# Altium PCB UHF Transceiver PCB.PcbDoc (part 1 of 5) (continued)
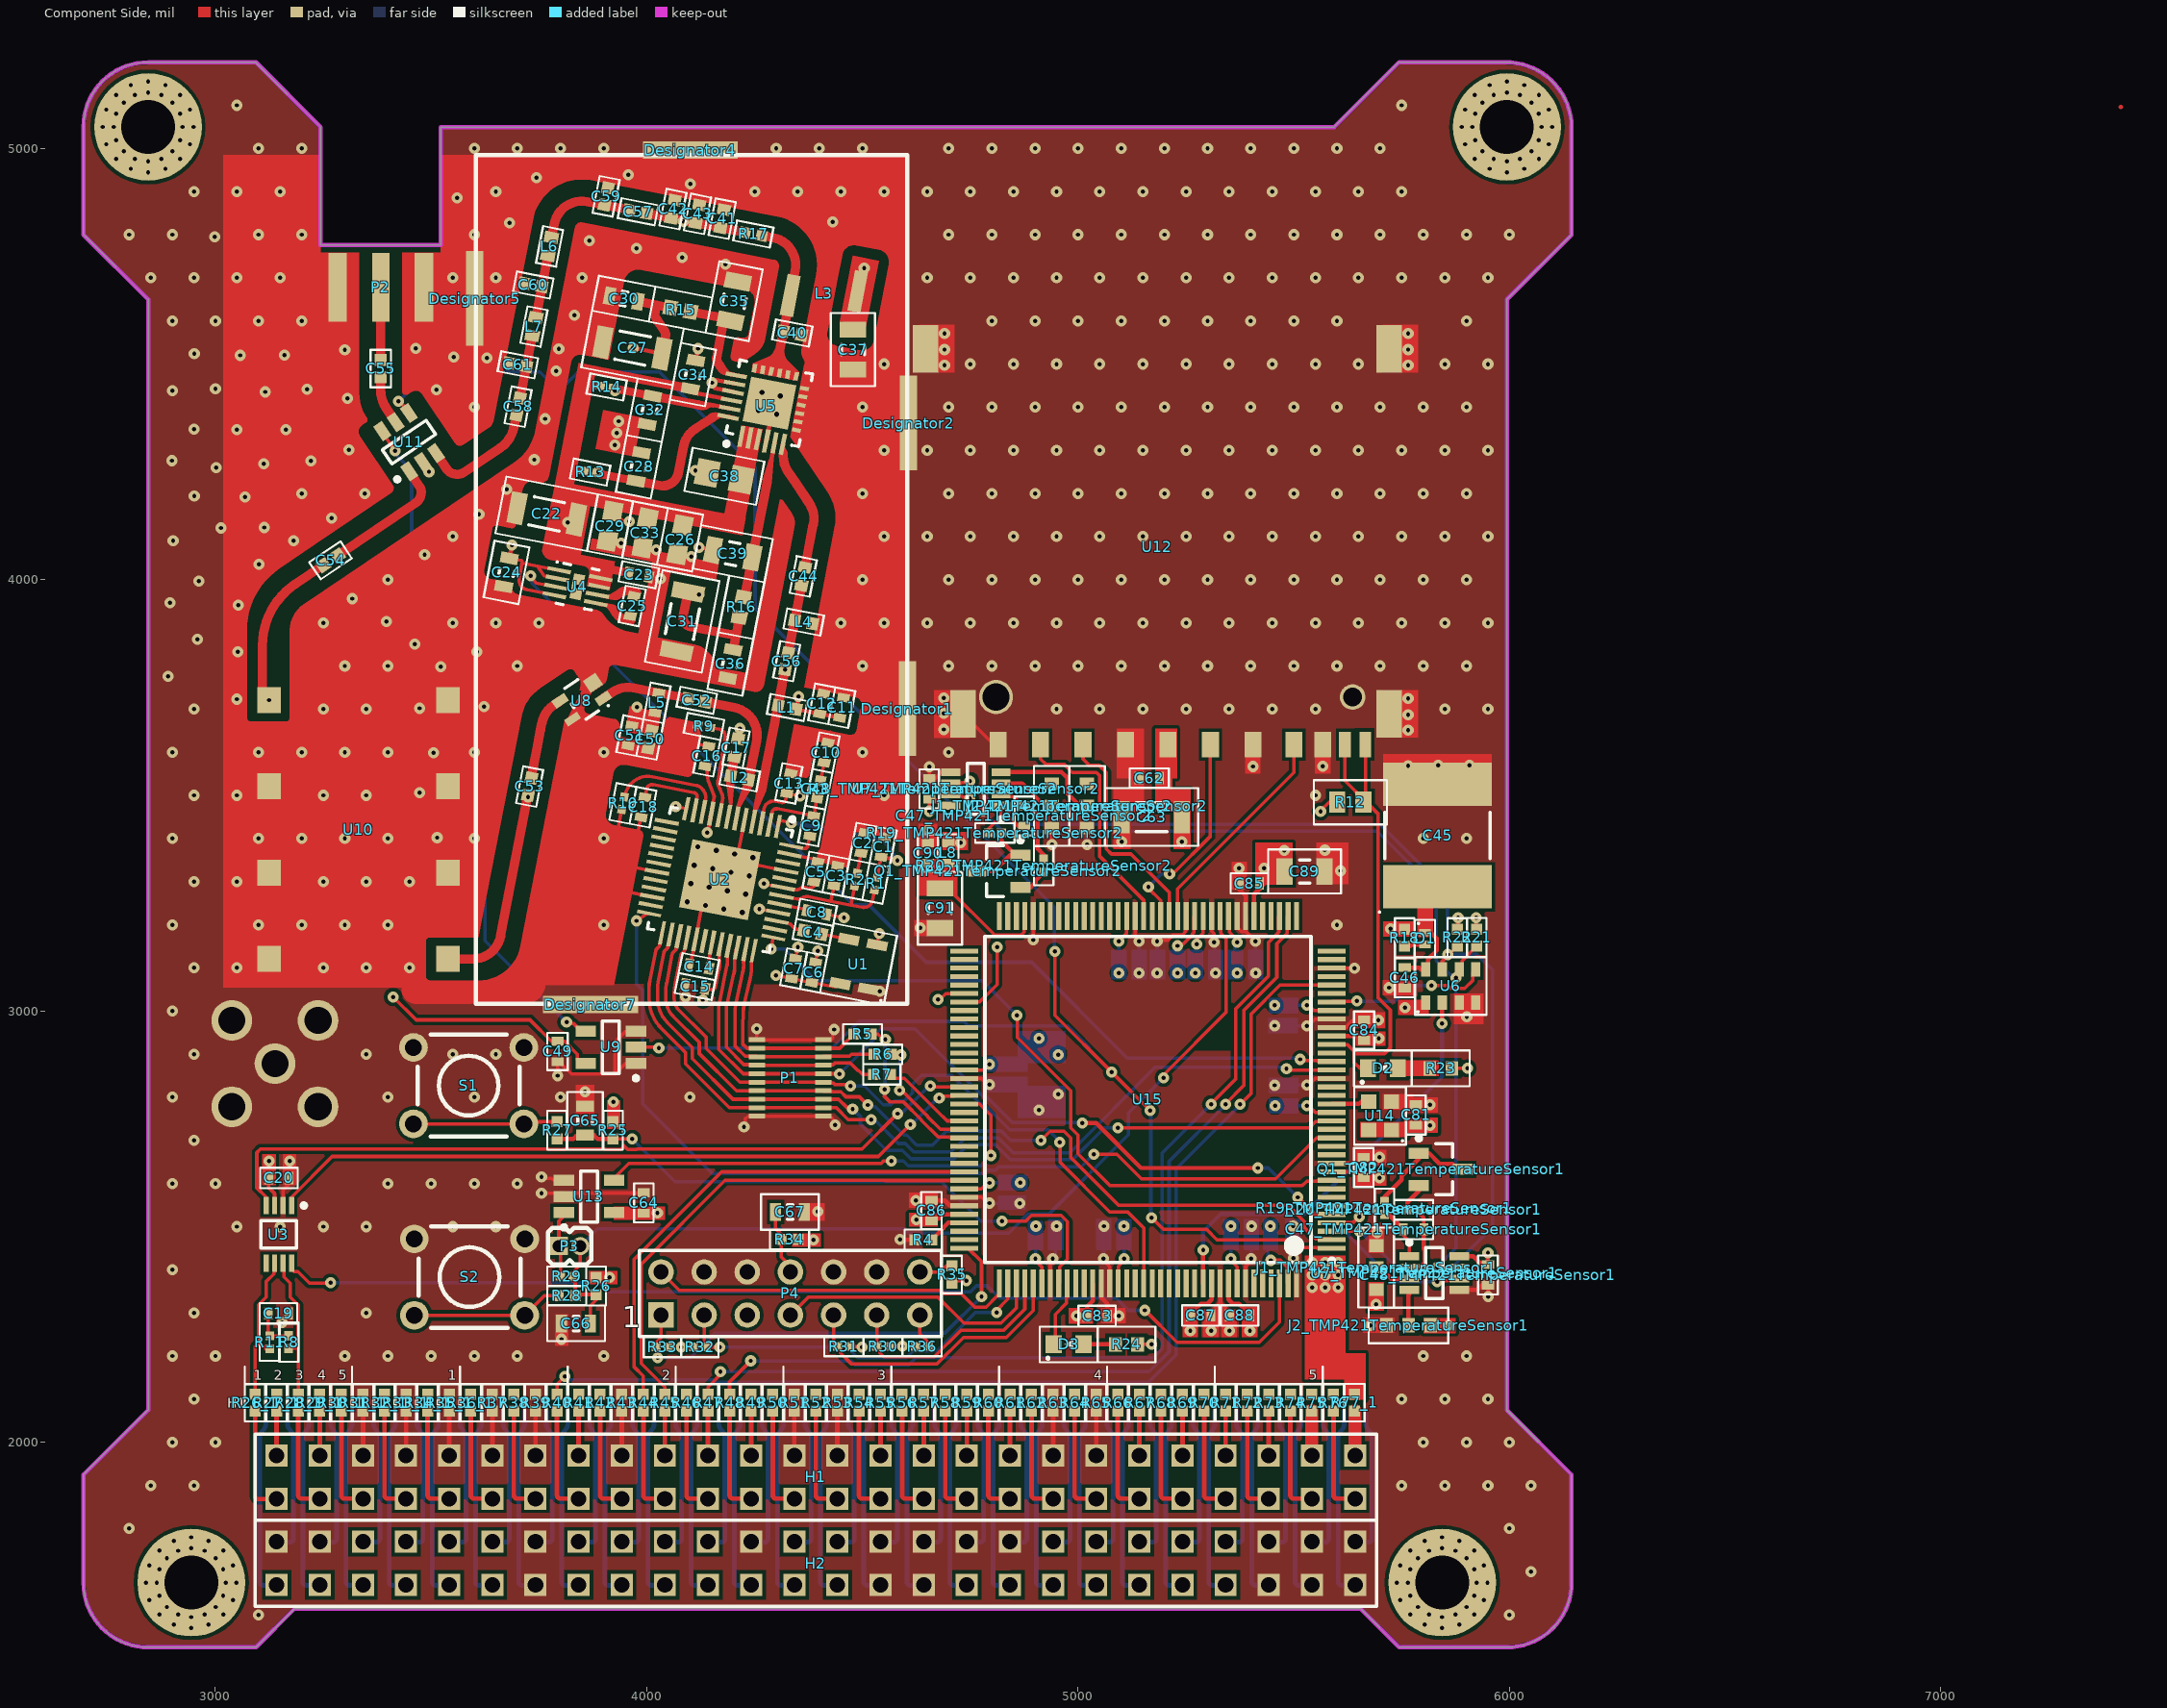
[diagram p0: Component Side view]
## Components (designator, comment, footprint, x,y, rotation, side; value= is the part's Value field where it differs from the comment) (continued)
R31_1 "Jumper" PANA-ERJ2G 3341.92,2091.76 r90 top value=0
R32 "DNP" PANA-ERA2A#1 4123,2221 r180 top
R32_1 "Jumper" PANA-ERJ2G 3391.92,2091.76 r270 top value=0
R33 "DNP" PANA-ERA2A#1 4036.24,2221 r0 top
R33_1 "Jumper" PANA-ERJ2G 3441.92,2091.76 r90 top value=0
R34 "Res3" PANA-ERJ2R 4331,2470 r0 top value=100
R34_1 "Jumper" PANA-ERJ2G 3491.92,2091.76 r270 top value=0
R35 "Res3" PANA-ERJ2R 4707,2389 r270 top value=100
R35_1 "Jumper" PANA-ERJ2G 3541.92,2091.76 r90 top value=0
R36 "Res3" PANA-ERA2A#2 4638,2222 r180 top value=10k
R36_1 "Jumper" PANA-ERJ2G 3591.92,2091.76 r270 top value=0
R37 "Jumper" PANA-ERJ2G 3641.92,2091.76 r90 top value=0
R38 "Jumper" PANA-ERJ2G 3691.92,2091.76 r270 top value=0
R39 "Jumper" PANA-ERJ2G 3741.92,2091.76 r90 top value=0
R40 "Jumper" PANA-ERJ2G 3791.92,2091.76 r270 top value=0
R41 "Jumper" PANA-ERJ2G 3841.92,2091.76 r90 top value=0
R42 "Jumper" PANA-ERJ2G 3891.92,2091.76 r270 top value=0
R43 "Jumper" PANA-ERJ2G 3941.92,2091.76 r90 top value=0
R44 "Jumper" PANA-ERJ2G 3991.92,2091.76 r270 top value=0
R45 "Jumper" PANA-ERJ2G 4041.92,2091.76 r90 top value=0
R46 "Jumper" PANA-ERJ2G 4091.92,2091.76 r270 top value=0
R47 "Jumper" PANA-ERJ2G 4141.92,2091.76 r90 top value=0
R48 "Jumper" PANA-ERJ2G 4191.92,2091.76 r270 top value=0
R49 "Jumper" PANA-ERJ2G 4241.92,2091.76 r90 top value=0
R50 "Jumper" PANA-ERJ2G 4291.92,2091.76 r270 top value=0
R51 "Jumper" PANA-ERJ2G 4341.92,2091.76 r90 top value=0
R52 "Jumper" PANA-ERJ2G 4391.92,2091.76 r270 top value=0
R53 "Jumper" PANA-ERJ2G 4441.92,2091.76 r90 top value=0
R54 "Jumper" PANA-ERJ2G 4491.92,2091.76 r270 top value=0
R55 "Jumper" PANA-ERJ2G 4541.92,2091.76 r90 top value=0
R56 "Jumper" PANA-ERJ2G 4591.92,2091.76 r270 top value=0
R57 "Jumper" PANA-ERJ2G 4641.92,2091.76 r90 top value=0
R58 "Jumper" PANA-ERJ2G 4691.92,2091.76 r270 top value=0
R59 "Jumper" PANA-ERJ2G 4741.92,2091.76 r90 top value=0
R60 "Jumper" PANA-ERJ2G 4791.92,2091.76 r270 top value=0
R61 "Jumper" PANA-ERJ2G 4841.92,2091.76 r90 top value=0
R62 "Jumper" PANA-ERJ2G 4891.92,2091.76 r270 top value=0
R63 "Jumper" PANA-ERJ2G 4941.92,2091.76 r90 top value=0
R64 "Jumper" PANA-ERJ2G 4991.92,2091.76 r270 top value=0
R65 "Jumper" PANA-ERJ2G 5041.92,2091.76 r90 top value=0
R66 "Jumper" PANA-ERJ2G 5091.92,2091.76 r270 top value=0
R67 "Jumper" PANA-ERJ2G 5141.92,2091.76 r90 top value=0
R68 "Jumper" PANA-ERJ2G 5191.92,2091.76 r270 top value=0
R69 "Jumper" PANA-ERJ2G 5241.92,2091.76 r90 top value=0
R70 "Jumper" PANA-ERJ2G 5291.92,2091.76 r270 top value=0
R71 "Jumper" PANA-ERJ2G 5341.92,2091.76 r90 top value=0
R72 "Jumper" PANA-ERJ2G 5391.92,2091.76 r270 top value=0
R73 "Jumper" PANA-ERJ2G 5441.92,2091.76 r90 top value=0
R74 "Jumper" PANA-ERJ2G 5491.92,2091.76 r270 top value=0
R75 "Jumper" PANA-ERJ2G 5541.92,2091.76 r90 top value=0
R76 "Jumper" PANA-ERJ2G 5591.92,2091.76 r270 top value=0
R77_1 "Jumper" PANA-ERJ2G 5640.69,2092.01 r90 top value=0
R78 "Jumper" PANA-ERJ2G 3116.92,2091.76 r270 bottom value=0
R79 "Jumper" PANA-ERJ2G 3166.92,2091.76 r90 bottom value=0
R80 "Jumper" PANA-ERJ2G 3216.92,2091.76 r270 bottom value=0
R81 "Jumper" PANA-ERJ2G 3266.92,2091.76 r90 bottom value=0
R82 "Jumper" PANA-ERJ2G 3316.92,2091.76 r270 bottom value=0
R83 "Jumper" PANA-ERJ2G 3366.92,2091.76 r90 bottom value=0
R84 "Jumper" PANA-ERJ2G 3416.92,2091.76 r270 bottom value=0
R85 "Jumper" PANA-ERJ2G 3466.92,2091.76 r90 bottom value=0
R86 "Jumper" PANA-ERJ2G 3516.92,2091.76 r270 bottom value=0
R87 "Jumper" PANA-ERJ2G 3566.92,2091.76 r90 bottom value=0
R88 "Jumper" PANA-ERJ2G 3616.92,2091.76 r270 bottom value=0
R89 "Jumper" PANA-ERJ2G 3666.92,2091.76 r90 bottom value=0
R90 "Jumper" PANA-ERJ2G 3716.92,2091.76 r270 bottom value=0
R91 "Jumper" PANA-ERJ2G 3766.92,2091.76 r90 bottom value=0
R92 "Jumper" PANA-ERJ2G 3816.92,2091.76 r270 bottom value=0
R93 "Jumper" PANA-ERJ2G 3866.92,2091.76 r90 bottom value=0
R94 "Jumper" PANA-ERJ2G 3916.92,2091.76 r270 bottom value=0
R95 "Jumper" PANA-ERJ2G 3966.92,2091.76 r90 bottom value=0
R96 "Jumper" PANA-ERJ2G 4016.92,2091.76 r270 bottom value=0
R97 "Jumper" PANA-ERJ2G 4066.92,2091.76 r90 bottom value=0
R98 "Jumper" PANA-ERJ2G 4116.92,2091.76 r270 bottom value=0
R99 "Jumper" PANA-ERJ2G 4166.92,2091.76 r90 bottom value=0
R100 "Jumper" PANA-ERJ2G 4216.92,2091.76 r270 bottom value=0
R101 "Jumper" PANA-ERJ2G 4266.92,2091.76 r90 bottom value=0
R102 "Jumper" PANA-ERJ2G 4316.92,2091.76 r270 bottom value=0
R103 "Jumper" PANA-ERJ2G 4366.92,2091.76 r90 bottom value=0
R104 "Jumper" PANA-ERJ2G 4416.92,2091.76 r270 bottom value=0
R105 "Jumper" PANA-ERJ2G 4466.92,2091.76 r90 bottom value=0
R106 "Jumper" PANA-ERJ2G 4516.92,2091.76 r270 bottom value=0
R107 "Jumper" PANA-ERJ2G 4566.92,2091.76 r90 bottom value=0
R108 "Jumper" PANA-ERJ2G 4616.92,2091.76 r270 bottom value=0
R109 "Jumper" PANA-ERJ2G 4666.92,2091.76 r90 bottom value=0
R110 "Jumper" PANA-ERJ2G 4716.92,2091.76 r270 bottom value=0
R111 "Jumper" PANA-ERJ2G 4766.92,2091.76 r90 bottom value=0
R112 "Jumper" PANA-ERJ2G 4816.92,2091.76 r270 bottom value=0
R113 "Jumper" PANA-ERJ2G 4866.92,2091.76 r90 bottom value=0
R114 "Jumper" PANA-ERJ2G 4916.92,2091.76 r270 bottom value=0
R115 "Jumper" PANA-ERJ2G 4966.92,2091.76 r90 bottom value=0
R116 "Jumper" PANA-ERJ2G 5016.92,2091.76 r270 bottom value=0
R117 "Jumper" PANA-ERJ2G 5066.92,2091.76 r90 bottom value=0
R118 "Jumper" PANA-ERJ2G 5116.92,2091.76 r270 bottom value=0
R119 "Jumper" PANA-ERJ2G 5166.92,2091.76 r90 bottom value=0
R120 "Jumper" PANA-ERJ2G 5216.92,2091.76 r270 bottom value=0
R121 "Jumper" PANA-ERJ2G 5266.92,2091.76 r90 bottom value=0
R122 "Jumper" PANA-ERJ2G 5316.92,2091.76 r270 bottom value=0
R123 "Jumper" PANA-ERJ2G 5366.92,2091.76 r90 bottom value=0
R124 "Jumper" PANA-ERJ2G 5416.92,2091.76 r270 bottom value=0
R125 "Jumper" PANA-ERJ2G 5466.92,2091.76 r90 bottom value=0
R126 "Jumper" PANA-ERJ2G 5516.92,2091.76 r270 bottom value=0
R127 "Jumper" PANA-ERJ2G 5566.92,2091.76 r90 bottom value=0
R128 "Jumper" PANA-ERJ2G 5616.92,2091.76 r270 bottom value=0
R129_1 "Jumper" PANA-ERJ2G 5665.69,2092.01 r90 bottom value=0
S1 "1825910-7" TEC-1825910-7 3587,2827 r0 top
S2 "1825910-7" TEC-1825910-7 3589,2383 r0 top
TP1 "5017" KS-5017#1 3817,4133 r270 bottom
TP2 "5017" KS-5017#1 4010.31,4539.15 r180 bottom
TP3 "5017" KS-5017#2 3891.06,4251 r270 bottom
TP4 "5017" KS-5017#1 4149.35,3960.38 r180 bottom
TP5 "5017" KS-5017#2 3918,4425.73 r270 bottom
TP6 "5017" KS-5017#1 3900,4800 r180 bottom
TP7 "5017" KS-5017#1 3122.38,3757.57 r270 bottom
TP8 "5017" KS-5017#1 3799.2,3719.18 r180 bottom
TP9 "5017" KS-5017#1 3770.04,3472 r180 bottom
TP10 "5017" KS-5017#1 4146.84,3716.52 r0 bottom
TP11 "5017" KS-5017#1 4267,3794.52 r180 bottom
TP12 "5017" KS-5017#1 4108,4822 r180 bottom
TP13 "5017" KS-5017#1 4450,4300 r270 bottom
TP14 "5017" KS-5017#1 3350,3900 r270 bottom
TP15 "5017" KS-5017#1 4686,3023 r0 bottom
TP16 "5017" KS-5017#1 4812,3195 r270 bottom
U1 "NT3225SA" NDK-NT3225SA 4491.08,3108.43 r169 top value=19.68MHz
U2 "ADF7021" ADI-CP-48-5 4169.78,3304.4 r259 top
U3 "TCAN337" TI-R-PDSO-G8 3146.99,2482 r270 top
U4 "TPS22965Q" TI-DSG0008 3839.4,3983.83 r349 top
U5 "RF6886" 24-VFQFN 4284.07,4409.08 r79 top
U6 "RTCMK" ABR-RTCMK 5863.76,3058 r90 top value=32.768kHz
U7_TMP421TemperatureSensor1 "TMP421" TI-DCN#1 5825.81,2392.38 r0 top (schematic designator U7)
U7_TMP421TemperatureSensor2 "TMP421" TI-DCN#2 4763,3515 r180 top (schematic designator U7)
U8 "SPF5043Z" QRV-SOT-343-4 3849.25,3722.07 r214 top
U9 "SN74LVC1" TI-DBV0005A 3916.76,2916 r180 top
U10 "SXBP425+" MICI-SXBP 3331.48,3420.78 r270 top
U11 "AS193-73" SKYW-SOT-6 3449,4319 r124 top
U12 "693063010911" WL-693063010911 5183.6,3617.68 r180 top
U13 "STWD100" STM-SOT235 3866,2570 r0 top value="5.1 ms"
U14 "ASDMB" ABR-ASDMB 5700,2757 r180 top value=16MHz
U15 "TMS5701224" TI-S-PQFP-G144 5161.81,2794.38 r180 top

## Footprints (in the part's own frame and the unit in brackets; to place one, negate y for a bottom-side part, rotate by r counter-clockwise, add the part's x,y. Pads: shape width x height; smd on the part's side, far side on the other; paste and mask are expansions set on the pad)
24-VFQFN [mm] "QFN, 24-Leads, Body 4.00x4.00mm, Pitch 0.50mm, Thermal Pad 2.70x2.70mm, IPC Low Density"
  rect 1.27x0.26 smd: 1(-2.225,1.25) 2(-2.225,0.75) 3(-2.225,0.25) 5(-2.225,-0.75) 6(-2.225,-1.25)
  rect 1.4x0.26 smd: 4(-2.225,-0.25)
  rect 0.26x0.528 smd: 7(-1.25,-1.864) 8(-0.75,-1.864) 9(-0.25,-1.864) 10(0.25,-1.864) 11(0.75,-1.864) 12(1.25,-1.864)
  rect 0.528x0.26 smd: 13(1.864,-1.25) 14(1.864,-0.75) 15(1.864,-0.25) 16(1.864,0.25) 17(1.864,0.75) 18(1.864,1.25)
  rect 0.26x1.27 smd: 19(1.25,2.225) 20(0.75,2.225) 21(0.25,2.225) 22(-0.25,2.225) 23(-0.75,2.225) 24(-1.25,2.225)
  rect 2.7x2.7 smd: 25(0,0)
  silkscreen extent -2.95,-2.18 2.18,2.18, body extent -2.03,-2.03 2.03,2.03, height 0.9
1606-10GLC [mm] "1606-10GLC"
  rect 0.79x2.46 smd: 1(9.1,-0.175) 2(5.25,-1.175)
  body extent 5,-2.27 9.4,0.9, height 1.37
ABR-ASDMB [mm] "DFN, 4-Leads, Body 2.00x2.50mm, Pitch 1.65mm, IPC Low Density"
  rect 0.9x0.85 smd: 1(-0.675,0.825) 2(-0.675,-0.825) 3(0.675,-0.825) 4(0.675,0.825)
  silkscreen extent -1.52,-1.7 1.53,1.7, body extent -1,-1.25 1,1.25, height 0.86
ABR-RTCMK [mm]
  rect 0.85x0.55 smd: 1(-0.975,1.475) 2(-0.975,0.5) 3(-0.975,-0.5) 4(-0.975,-1.475) 5(0.975,-1.475) 6(0.975,-0.5) 7(0.975,0.5) 8(0.975,1.475)
  silkscreen extent -1.7,-2.1 1.7,2.1, body extent -1.25,-1.6 1.25,1.6, height 1
ADI-CP-48-5 [mm] "QFN, 48-Leads, Body 7.00x7.00mm, Pitch 0.50mm, Thermal Pad 4.10x4.10mm, IPC Low Density"
  rect 1.397x0.216 smd: 1(-3.725,2.75)
  rect 1.45x0.25 smd: 2(-3.725,2.25) 3(-3.725,1.75) 4(-3.725,1.25) 5(-3.725,0.75) 6(-3.725,0.25) 7(-3.725,-0.25) 8(-3.725,-0.75) 9(-3.725,-1.25) 10(-3.725,-1.75) 11(-3.725,-2.25) 26(3.725,-2.25) 27(3.725,-1.75) 28(3.725,-1.25) 29(3.725,-0.75) 30(3.725,-0.25) 31(3.725,0.25) 32(3.725,0.75) 33(3.725,1.25) 34(3.725,1.75) 35(3.725,2.25)
  rect 1.397x0.229 smd: 12(-3.725,-2.75)
  rect 0.25x1.45 smd: 13(-2.75,-3.725) 14(-2.25,-3.725) 15(-1.75,-3.725) 16(-1.25,-3.725) 17(-0.75,-3.725) 18(-0.25,-3.725) 19(0.25,-3.725) 20(0.75,-3.725) 21(1.25,-3.725) 22(1.75,-3.725) 23(2.25,-3.725) 38(2.25,3.725) 39(1.75,3.725) 40(1.25,3.725) 41(0.75,3.725) 42(0.25,3.725) 43(-0.25,3.725) 44(-0.75,3.725) 45(-1.25,3.725) 46(-1.75,3.725) 47(-2.25,3.725)
  rect 0.216x1.422 smd: 24(2.75,-3.725) 37(2.75,3.725) 48(-2.75,3.725)
  rect 1.422x0.216 smd: 25(3.725,-2.75) 36(3.725,2.75)
  rect 4.1x4.1 smd: 49(0,0)
  silkscreen extent -4.42,-3.65 3.65,3.65, body extent -3.52,-3.52 3.52,3.52, height 0.8
AMP-903-518J-51P [mil] "CONN SMB JACK STR 50OHM EDGE MNT"
  rect 160x40 smd: 1(80,0)
  rect 160x43 smd: 2(80,100) 2(80,100.3) 2(80,-100)
  body extent -275,-125 175,125, height 135
ATC-600F [mm] "Chip Capacitor, 2-Leads, Body 2.01x1.24mm, IPC Low Density"
  rect 1.35x1.55 smd: 1(-1.025,0) 2(1.025,0)
  silkscreen extent -2.15,-1.3 2.15,1.3, body extent -1.1,-0.73 1.1,0.73, height 1.3
ATC-600L [mm] "Chip Capacitor, 2-Leads, Body 1.02x0.51mm, IPC Low Density"
  rect 0.68x0.76 smd: 1(-0.54,0) 2(0.54,0)
  silkscreen extent -1.1,-0.6 1.1,0.6, body extent -0.56,-0.3 0.56,0.31, height 0.61
ATC-600S [mm] "Chip Capacitor, 2-Leads, Body 1.60x0.81mm, IPC Low Density"
  rect 1.15x1.1 smd: 1(-0.875,0) 2(0.875,0)
  silkscreen extent -1.7,-1.05 1.7,1.05, body extent -0.87,-0.49 0.88,0.49, height 0.89
AVX-F722824M [mm] "Chip Capacitor, 2-Leads, Body 7.20x6.00mm, IPC Low Density"
  rect 2.55x6.4 smd: 1(-3.025,0) 2(3.025,0)
  silkscreen extent -4.56,-3.1 1.35,3.46, body extent -3.75,-3.15 3.75,3.15, height 2
CCI-0402CS [mm] "Chip Inductor, 2-Leads, Body 1.02x0.51mm, IPC Low Density"
  rect 0.67x0.75 smd: 1(-0.545,0) 2(0.545,0)
  silkscreen extent -1.1,-0.6 1.1,0.6, body extent -0.5,-0.3 0.5,0.3, height 0.51
DIOD-X2-DFN1006-2 [mm] "DFN, 2-Leads, Body 0.61x1.01mm, Pitch 0.70mm, IPC Low Density"
  rect 0.45x0.7 smd: 1(-0.35,0) 2(0.35,0)
  silkscreen extent -1.1,-0.6 1.1,0.6, body extent -0.54,-0.34 0.54,0.34, height 0.4
HDR2X7 [mm] "Connector; Header; 7x2 Position"
  rect 1.5x1.5 hole 0.9: 1(0,0)
  round 1.5 hole 0.9: 2(0,2.54) 3(2.54,0) 4(2.54,2.54) 5(5.08,0) 6(5.08,2.54) 7(7.62,0) 8(7.62,2.54) 9(10.16,0) 10(10.16,2.54) 11(12.7,0) 12(12.7,2.54) 13(15.24,0) 14(15.24,2.54)
  silkscreen extent -1.27,-1.27 16.51,3.81
HWN-S1721-46R [mm] "RFI SHIELD CLIP MINI TIN SMD"
  rect 5.59x1.02 smd: 1(0,0)
  body extent -2.62,-0.54 2.63,0.54, height 2.23
KEM-CBR04 [mm] "Chip Capacitor, 2-Leads, Body 1.00x0.50mm, IPC Low Density"
  rect 0.72x0.72 smd: 1(-0.51,0) 2(0.51,0)
  silkscreen extent -1.1,-0.6 1.1,0.6, body extent -0.53,-0.27 0.53,0.28, height 0.55
KS-5017#1 [mil] "Testpoint Lug Mini SMD 27X10X152"
  rect 135x70 smd: 1(0,0)
  body extent -53,-20 53,20, height 60
KS-5017#2 [mil] "Testpoint Lug Mini SMD 27X10X152"
  rect 70x135 smd: 1(0,0)
  body extent -53,-20 53,20, height 60
MICI-SXBP [mil]
  rect 60x55 smd: 1(-300,-207.5) 2(-300,207.5) 3(-100,-207.5) 4(-100,207.5) 5(100,-207.5) 6(100,207.5) 7(300,-207.5) 8(300,207.5)
  body extent -370,-220 370,220, height 190
MOLX-0555600207 [mil] "CONN PLUG 20POS 1.5MM SMD .5MM"
  rect 11x38 smd: 1(-88.58,-76.77) 2(-88.58,76.77) 3(-68.9,-76.77) 4(-68.9,76.77) 5(-49.21,-76.77) 6(-49.21,76.77) 7(-29.53,-76.77) 8(-29.53,76.77) 9(-9.84,-76.77) 10(-9.84,76.77) 11(9.84,-76.77) 12(9.84,76.77) 13(29.53,-76.77) 14(29.53,76.77) 15(49.21,-76.77) 16(49.21,76.77) 17(68.9,-76.77) 18(68.9,76.77) 19(88.58,-76.77) 20(88.58,76.77)
  body extent -127,-85 127,85, height 47
MUR-LQW15A [mm] "Chip Inductor, 2-Leads, Body 1.00x0.60mm, IPC Low Density"
  rect 0.68x0.84 smd: 1(-0.54,0) 2(0.54,0)
  silkscreen extent -1.1,-0.6 1.1,0.6, body extent -0.5,-0.3 0.5,0.3, height 0.51
NDK-NT3225SA [mm] "4-SMD, No Lead, 0.126\" L x 0.098\" W x 0.039\" H (3.20mm x 2.50mm x 1.00mm)"
  rect 1.2x0.6 smd: 1(-0.85,1.325) 2(-0.85,-1.325) 3(0.85,-1.325) 4(0.85,1.325)
  silkscreen extent -1.91,-2.08 1.91,2.08, body extent -1.25,-1.6 1.25,1.6, height 0.81
ONS-318-08#1 [mm] "SOT23, 3-Leads, Body 2.92x2.37mm, Pitch 0.95mm, IPC Low Density"
  rect 1.2x0.65 smd: 1(-1.3,0.95) 2(-1.3,-0.95) 3(1.3,0)
  silkscreen extent -1.42,-1.5 0.7,1.95, body extent -1.32,-1.52 1.32,1.52, height 1.11
ONS-318-08#2 [mm] "SOT23, 3-Leads, Body 2.92x2.37mm, Pitch 0.95mm, IPC Low Density"
  rect 1.2x0.65 smd: 1(-1.3,-0.95) 2(-1.3,0.95) 3(1.3,0)
  silkscreen extent -1.43,-1.95 0.7,1.5, body extent -1.32,-1.52 1.32,1.52, height 1.11
PANA-ERA2A#1 [mm] "Chip Resistor, 2-Leads, Body 1.00x0.52mm, IPC High Density"
  rect 0.533x0.5 smd: 1(-0.375,0) 2(0.375,0)
  silkscreen extent -1.1,-0.6 1.1,0.6, body extent -0.55,-0.3 0.55,0.3, height 0.4
PANA-ERA2A#2 [mm] "Chip Resistor, 2-Leads, Body 1.00x0.52mm, IPC High Density"
  rect 0.548x0.5 smd: 1(-0.376,0) 2(0.376,0)
  silkscreen extent -1.15,-0.58 1.15,0.58, body extent -0.55,-0.3 0.55,0.3, height 0.4
PANA-ERA2A#3 [mm] "Chip Resistor, 2-Leads, Body 1.00x0.52mm, IPC High Density"
  rect 0.508x0.5 smd: 1(-0.375,0) 2(0.375,0)
  silkscreen extent -1.1,-0.6 1.1,0.6, body extent -0.55,-0.3 0.55,0.3, height 0.4
PANA-ERA3A [mm] "Chip Resistor, 2-Leads, Body 1.60x0.80mm, IPC High Density"
  rect 0.8x0.9 smd: 1(-0.6,0) 2(0.6,0)
  silkscreen extent -1.7,-1.05 1.7,1.05, body extent -0.9,-0.5 0.9,0.5, height 0.55
PANA-ERJ2G [mm] "Chip Resistor, 2-Leads, Body 1.00x0.50mm, IPC Low Density"
  rect 0.65x0.65 smd: 1(-0.5,0) 2(0.5,0)
  silkscreen extent -1.15,-0.58 1.15,0.58, body extent -0.52,-0.27 0.53,0.28, height 0.4
PANA-ERJ2R [mm] "Chip Resistor, 2-Leads, Body 1.00x0.50mm, IPC Low Density"
  rect 0.65x0.65 smd: 1(-0.5,0) 2(0.5,0)
  silkscreen extent -1.1,-0.6 1.1,0.6, body extent -0.53,-0.28 0.53,0.28, height 0.4
PANA-ERJ3EK [mm] "Chip Resistor, 2-Leads, Body 1.60x0.85mm, IPC High Density"
  rect 0.75x0.85 smd: 1(-0.65,0) 2(0.65,0)
  silkscreen extent -1.7,-1.05 1.7,1.05, body extent -0.88,-0.48 0.87,0.48, height 0.55
"PANA-ERJ3EK(3-pin jumper)" [mm] "Chip Resistor, 2-Leads, Body 1.60x0.85mm, IPC High Density"
  rect 0.75x0.85 smd: 1(-1.3,0) 2(0,0) 3(1.3,0)
  silkscreen extent -2.35,-1.05 2.35,1.05, body extent -0.23,-0.48 1.53,0.48, height 0.55
PANA-ERJ6EN [mm] "Chip Resistor, 2-Leads, Body 2.00x1.25mm, IPC High Density"
  rect 0.95x1.25 smd: 1(-0.775,0) 2(0.775,0)
  silkscreen extent -2.15,-1.3 2.15,1.3, body extent -1.1,-0.67 1.1,0.67, height 0.7
QRV-SOT-343-4 [mm] "SOT143, 4-Leads, Body 2.00x2.10mm, Pitch 1.30mm, IPC Medium Density"
  rect 0.9x0.547 smd: 1(-1.095,0.65) 3(1.095,-0.65)
  rect 0.9x0.85 smd: 2(-1.095,-0.45)
  rect 0.9x0.45 smd: 4(1.095,0.65)
  silkscreen extent -1.14,-1.1 0.65,1.22, body extent -0.98,-1.1 0.98,1.1, height 0.94
SKYW-SOT-6 [mm] "SOT23, 6-Leads, Body 2.90x2.70mm, Pitch 0.95mm, IPC Medium Density"
  rect 1.05x0.6 smd: 1(-1.425,0.95) 2(-1.425,0) 3(-1.425,-0.95) 4(1.425,-0.95) 5(1.425,0) 6(1.425,0.95)
  silkscreen extent -1.55,-1.55 0.5,1.93, body extent -1.7,-1.55 1.7,1.55, height 1.45
SLN-GRPB021 [mil]
  rect 42x42 hole 28: 1(0,0)
  round 42 hole 28: 2(50,0)
  silkscreen extent -25,-42 75,42, body extent -25,-42 75,42, height 130
SMA-J-P-H-RA-TH1 [mm]
  round 2.4 hole 1.6 mask+0.075: 1(0,0) 2(2.54,-2.54) 3(2.54,2.54) 4(-2.54,2.54) 5(-2.54,-2.54)
  Top Assembly keep-out region: 2.54,0 2.347,0.972 1.796,1.796 0.972,2.347 0,2.54 0,2.54 -0.972,2.347 -1.796,1.796 -2.347,0.972 -2.54,0 -2.54,0 -2.347,-0.972 -1.796,-1.796 -0.972,-2.347 0,-2.54 0,-2.54 0.972,-2.347 1.796,-1.796 2.347,-0.972 2.54,0
  silkscreen extent -4.1,-4.1 4.1,3
SSW-126-23-G-D [mm]
  rect 1.3x1.3 hole 0.91: 1(-7.747,33.782) 2(-5.207,33.782) 3(-7.747,31.242) 4(-5.207,31.242) 5(-7.747,28.702) 6(-5.207,28.702) 7(-7.747,26.162) 8(-5.207,26.162) 9(-7.747,23.622) 10(-5.207,23.622) 11(-7.747,21.082) 12(-5.207,21.082) 13(-7.747,18.542) 14(-5.207,18.542) 15(-7.747,16.002) 16(-5.207,16.002) 17(-7.747,13.462) 18(-5.207,13.462) 19(-7.747,10.922) 20(-5.207,10.922) 21(-7.747,8.382) 22(-5.207,8.382) 23(-7.747,5.842) 24(-5.207,5.842) 25(-7.747,3.302) 26(-5.207,3.302) 27(-7.747,0.762) 28(-5.207,0.762) 29(-7.747,-1.778) 30(-5.207,-1.778) 31(-7.747,-4.318) 32(-5.207,-4.318) 33(-7.747,-6.858) 34(-5.207,-6.858) 35(-7.747,-9.398) 36(-5.207,-9.398) 37(-7.747,-11.938) 38(-5.207,-11.938) 39(-7.747,-14.478) 40(-5.207,-14.478) 41(-7.747,-17.018) 42(-5.207,-17.018) 43(-7.747,-19.558) 44(-5.207,-19.558) 45(-7.747,-22.098) 46(-5.207,-22.098) 47(-7.747,-24.638) 48(-5.207,-24.638) 49(-7.747,-27.178) 50(-5.207,-27.178) 51(-7.747,-29.718) 52(-5.207,-29.718)
  silkscreen extent -9.02,-30.99 -3.94,35.05, body extent -9.08,-31.24 -4,35.31, height 11.05
STM-SOT235 [mm] "SOT23, 5-Leads, Body 2.90x2.80mm, Pitch 0.95mm, IPC Low Density"
  rect 1.2x0.65 smd: 1(-1.475,-0.95) 2(-1.475,0) 3(-1.475,0.95) 4(1.475,0.95) 5(1.475,-0.95)
  silkscreen extent -1.6,-1.95 0.5,1.5, body extent -1.6,-1.5 1.6,1.5, height 1.45
TDK-CGA2B [mm] "Chip Capacitor, 2-Leads, Body 1.00x0.50mm, IPC Low Density"
  rect 0.52x0.72 smd: 1(-0.6,0) 2(0.6,0)
  silkscreen extent -1.1,-0.6 1.1,0.6, body extent -0.52,-0.28 0.53,0.28, height 0.5
TDK-CGA3E [mm] "Chip Capacitor, 2-Leads, Body 1.60x0.80mm, IPC Low Density"
  rect 0.65x1.05 smd: 1(-0.85,0) 2(0.85,0)
  silkscreen extent -1.7,-1.05 1.7,1.05, body extent -0.85,-0.45 0.85,0.45, height 0.8
TDK-CGA4J [mm] "Chip Capacitor, 2-Leads, Body 2.00x1.25mm, IPC Low Density"
  rect 0.95x1.55 smd: 1(-1.175,0) 2(1.175,0)
  silkscreen extent -2.15,-1.3 2.15,1.3, body extent -1.1,-0.73 1.1,0.73, height 1.25
TDK-CGA5L [mm] "Chip Capacitor, 2-Leads, Body 3.20x1.60mm, IPC Low Density"
  rect 0.95x1.9 smd: 1(-1.775,0) 2(1.775,0)
  silkscreen extent -2.75,-1.7 2.75,1.7, body extent -1.7,-0.9 1.7,0.9, height 1.6
TDK-MLF1005 [mm] "Chip Inductor, 2-Leads, Body 1.00x0.50mm, IPC Low Density"
  rect 0.51x0.72 smd: 1(-0.595,0) 2(0.595,0)
  silkscreen extent -1.1,-0.6 1.1,0.6, body extent -0.53,-0.28 0.53,0.28, height 0.55
TDK-MMZ1005 [mm] "Chip Inductor, 2-Leads, Body 1.00x0.50mm, IPC Low Density"
  rect 0.51x0.72 smd: 1(-0.595,0) 2(0.595,0)
  silkscreen extent -1.1,-0.6 1.1,0.6, body extent -0.53,-0.28 0.53,0.28, height 0.55
TEC-1825910-7 [mm] "Tactile Switch SPST-NO Top Actuated Through Hole"
  round 1.69 hole 0.99: 1(-3.25,2.25) 1(3.25,2.25) 2(-3.25,-2.25) 2(3.25,-2.25)
  silkscreen extent -3,-2.99 3,2.99, body extent -3.9,-2.99 3.9,3, height 5
TI-DBV0005A [mm] "SOT23, 5-Leads, Body 2.90x2.80mm, Pitch 0.95mm, IPC Low Density"
  rect 1.2x0.65 smd: 1(-1.475,0.95) 2(-1.475,0) 3(-1.475,-0.95) 4(1.475,-0.95) 5(1.475,0.95)
  silkscreen extent -1.6,-1.55 0.5,1.95, body extent -1.5,-1.53 1.5,1.53, height 1.45
TI-DCN#1 [mil] "TSOP, 8-Leads, Body 2.90x1.60mm, Pitch 0.65mm, IPC Low Density"
  rect 45.28x18 smd: 1(-58.07,39) 2(-58.07,13) 3(-58.07,-13) 4(-58.07,-39) 5(58.07,-39) 6(58.07,-13) 7(58.07,13) 8(58.07,39)
  silkscreen extent -63,-59 20,76, body extent -55,-59 55,59, height 57
TI-DCN#2 [mil] "TSOP, 8-Leads, Body 2.90x1.60mm, Pitch 0.65mm, IPC Low Density"
  rect 44x18 smd: 1(-58.07,39) 2(-58.07,13) 3(-58.07,-13) 4(-58.07,-39) 5(58.07,-39) 6(58.07,-13) 7(58.07,13) 8(58.07,39)
  silkscreen extent -63,-59 20,76, body extent -55,-59 55,59, height 57
TI-DSG0008 [mm] "SON, 8-Leads, Body 2.00x2.00mm, Pitch 0.50mm, Thermal Pad 1.60x0.69mm, IPC Low Density"
  rect 1.4x0.25 smd: 1(-1.245,0.75) 2(-1.245,0.25) 3(-1.245,-0.25) 4(-1.245,-0.75) 5(1.245,-0.75) 6(1.245,-0.25) 8(1.245,0.75)
  rect 1.27x0.241 smd: 7(1.245,0.25)
  rect 0.66x1.524 smd: 9(0,0)
  silkscreen extent -1.5,-1.2 1.05,1.25, body extent -1.05,-1.05 1.05,1.05, height 0.8
TI-R-PDSO-G8 [mm] "TSSOP, 8-Leads, Body 2.00x2.30mm, Pitch 0.50mm, IPC Low Density"
  rect 1x0.297 smd: 1(-1.7,0.75) 2(-1.7,0.25) 3(-1.7,-0.25) 4(-1.7,-0.75) 5(1.7,-0.75) 6(1.7,-0.25) 7(1.7,0.25) 8(1.7,0.75)
  silkscreen extent -1.82,-1.05 0.8,1.6, body extent -1.55,-1.05 1.55,1.05, height 0.9
TI-S-PQFP-G144 [mm] "TSQFP, 144-Leads, Body 20.00x20.00mm, Pitch 0.50mm, IPC Low Density"
  rect 1.65x0.297 smd: 1(-10.825,8.75) 2(-10.825,8.25) 3(-10.825,7.75) 4(-10.825,7.25) 5(-10.825,6.75) 6(-10.825,6.25) 7(-10.825,5.75) 8(-10.825,5.25) 9(-10.825,4.75) 10(-10.825,4.25) 11(-10.825,3.75) 12(-10.825,3.25) 13(-10.825,2.75) 14(-10.825,2.25) 15(-10.825,1.75) 16(-10.825,1.25) 17(-10.825,0.75) 18(-10.825,0.25) 19(-10.825,-0.25) 20(-10.825,-0.75) 21(-10.825,-1.25) 22(-10.825,-1.75) 23(-10.825,-2.25) 24(-10.825,-2.75) 25(-10.825,-3.25) 26(-10.825,-3.75) 27(-10.825,-4.25) 28(-10.825,-4.75) 29(-10.825,-5.25) 30(-10.825,-5.75) 31(-10.825,-6.25) 32(-10.825,-6.75) 33(-10.825,-7.25) 34(-10.825,-7.75) 35(-10.825,-8.25) 36(-10.825,-8.75) 73(10.825,-8.75) 74(10.825,-8.25) 75(10.825,-7.75) 76(10.825,-7.25) 77(10.825,-6.75) 78(10.825,-6.25) 79(10.825,-5.75) 80(10.825,-5.25) 81(10.825,-4.75) 82(10.825,-4.25) 83(10.825,-3.75) 84(10.825,-3.25) 85(10.825,-2.75) 86(10.825,-2.25) 87(10.825,-1.75) 88(10.825,-1.25) 89(10.825,-0.75) 90(10.825,-0.25) 91(10.825,0.25) 92(10.825,0.75) 93(10.825,1.25) 94(10.825,1.75) 95(10.825,2.25) 96(10.825,2.75) 97(10.825,3.25) 98(10.825,3.75) 99(10.825,4.25) 100(10.825,4.75) 101(10.825,5.25) 102(10.825,5.75) 103(10.825,6.25) 104(10.825,6.75) 105(10.825,7.25) 106(10.825,7.75) 107(10.825,8.25) 108(10.825,8.75)
  rect 0.297x1.65 smd: 37(-8.75,-10.825) 38(-8.25,-10.825) 39(-7.75,-10.825) 40(-7.25,-10.825) 41(-6.75,-10.825) 42(-6.25,-10.825) 43(-5.75,-10.825) 44(-5.25,-10.825) 45(-4.75,-10.825) 46(-4.25,-10.825) 47(-3.75,-10.825) 48(-3.25,-10.825) 49(-2.75,-10.825) 50(-2.25,-10.825) 51(-1.75,-10.825) 52(-1.25,-10.825) 53(-0.75,-10.825) 54(-0.25,-10.825) 55(0.25,-10.825) 56(0.75,-10.825) 57(1.25,-10.825) 58(1.75,-10.825) 59(2.25,-10.825) 60(2.75,-10.825) 61(3.25,-10.825) 62(3.75,-10.825) 63(4.25,-10.825) 64(4.75,-10.825) 65(5.25,-10.825) 66(5.75,-10.825) 67(6.25,-10.825) 68(6.75,-10.825) 69(7.25,-10.825) 70(7.75,-10.825) 71(8.25,-10.825) 72(8.75,-10.825) 109(8.75,10.825) 110(8.25,10.825) 111(7.75,10.825) 112(7.25,10.825) 113(6.75,10.825) 114(6.25,10.825) 115(5.75,10.825) 116(5.25,10.825) 117(4.75,10.825) 118(4.25,10.825) 119(3.75,10.825) 120(3.25,10.825) 121(2.75,10.825) 122(2.25,10.825) 123(1.75,10.825) 124(1.25,10.825) 125(0.75,10.825) 126(0.25,10.825) 127(-0.25,10.825) 128(-0.75,10.825) 129(-1.25,10.825) 130(-1.75,10.825) 131(-2.25,10.825) 132(-2.75,10.825) 133(-3.25,10.825) 134(-3.75,10.825) 135(-4.25,10.825) 136(-4.75,10.825) 137(-5.25,10.825) 138(-5.75,10.825) 139(-6.25,10.825) 140(-6.75,10.825) 141(-7.25,10.825) 142(-7.75,10.825) 143(-8.25,10.825) 144(-8.75,10.825)
  silkscreen extent -10.95,-9.6 9.6,9.6, body extent -11,-11 11,11, height 1.6
VSH-CRCW0402 [mm] "Chip Resistor, 2-Leads, Body 1.00x0.50mm, IPC Low Density"
  rect 0.65x0.65 smd: 1(-0.5,0) 2(0.5,0)
  silkscreen extent -1.1,-0.6 1.1,0.6, body extent -0.53,-0.27 0.53,0.28, height 0.4
WL-150060XS75000 [mm] "Chip Diode, 2-Leads, Body 1.60x0.80mm, IPC Low Density"
  rect 0.95x1.05 smd: 1(-0.875,0) 2(0.875,0)
  silkscreen extent -1.7,-1.05 1.7,1.05, body extent -0.8,-0.4 0.8,0.4, height 0.7
WL-693063010911 [mm]
  rect 1x1.5 smd: 1(6.875,0) 2(4.375,0) 3(1.875,0) 4(-0.625,0) 5(-3.125,0) 6(-5.625,0) 7(-8.05,0) 8(-9.75,0) 9(9.375,0)
  rect 0.7x1.5 smd: 10(-11.05,0) 11(-12.25,0)
  rect 1.5x2.8 smd: 12(-13.65,-1.8) 12(-13.65,-23.3) 12(11.45,-1.8) 12(13.65,-23.3)
  oval 1.506x1.506 hole 1.1: 12(-11.5,-2.8)
  oval 2.006x2.006 hole 1.6: 12(9.5,-2.8)
  body extent -13.95,-36.35 14.09,0.5, height 3.3

## Part data
C1 C2 C3 C47_TMP421TemperatureSensor1 C47_TMP421TemperatureSensor2: library part PC-TDK-01226, "CAP CER 100PF 100V C0G 0402", Manufacturer Part Number=CGA2B2C0G2A101J050BA, Supplier Part Number 1=445-15510-1-ND, Temperature Coefficient=NP0, Tolerance=±5%, Voltage - Rated=100V, Applications=Automotive, Index=1226, LatestRevisionDate=2016-03-16, LatestRevisionNote=..., PackageDescription="Radial Cap, Thru-Hole; 2 Leads; 0.3 in Pin Spacing", PackageReference="0402 (1005 Metric)", Part Number=PC-TDK-01226, Published=2016-03-16, Publisher=AlbertaSat, Supplier 1=Digi-key, Supplier Link=http://www.digikey.ca/product-search/en?keywords=445-15510-1-ND
C4 C44: library part PC-ATC-00281, "CAP CER 22PF 200V C0G/NP0 0402", Manufacturer Part Number=600L220FT200T, Supplier Part Number 1=1284-1114-1-ND, Temperature Coefficient="C0G, NP0", Tolerance=±1%, Voltage - Rated=200V, Applications="High Q, Low Loss, Ultra Low ESR", Index=281, LatestRevisionDate=2018-08-29, LatestRevisionNote=..., PackageDescription="Chip Capacitor, 2-Leads, Body 1.02x0.51mm, IPC Low Density", PackageReference="0402 (1005 Metric)", Part Number=PC-ATC-00281, Published=2018-08-29, Publisher=AlbertaSat, Supplier 1=Digi-key, Supplier Link=https://www.digikey.ca/products/en?keywords=1284-1114-1-ND
C5 C6 C11 C13 C15 C16 C81: library part PC-TDK-01877, "CAP CER 10000PF 50V X8R 0402", Manufacturer Part Number=CGA2B3X8R1H103K050BB, Supplier Part Number 1=445-12303-1-ND, Temperature Coefficient=X8R, Tolerance=±10%, Voltage - Rated=50V, Applications=Automotive, Index=1877, LatestRevisionDate=2016-03-16, LatestRevisionNote=..., PackageDescription="Radial Cap, Thru-Hole; 2 Leads; 0.3 in Pin Spacing", PackageReference="0402 (1005 Metric)", Part Number=PC-TDK-01877, Published=2016-03-16, Publisher=AlbertaSat, Supplier 1=Digi-key, Supplier Link=http://www.digikey.ca/product-search/en?keywords=445-12303-1-ND
C7 C8 C10 C14 C18 C20 C23 C46 C48_TMP421TemperatureSensor1 C48_TMP421TemperatureSensor2 C49 C51 C62 C64: library part PC-TDK-02259, "CAP CER 0.1UF 50V X7R 0402", Manufacturer Part Number=CGA2B3X7R1H104K050BB, Supplier Part Number 1=445-6899-1-ND, Temperature Coefficient=X7R, Tolerance=±10%, Voltage - Rated=50V, Applications=Automotive, Index=2259, LatestRevisionDate=2016-03-16, LatestRevisionNote=..., PackageDescription="Radial Cap, Thru-Hole; 2 Leads; 0.3 in Pin Spacing", PackageReference="0402 (1005 Metric)", Part Number=PC-TDK-02259, Published=2016-03-16, Publisher=AlbertaSat, Supplier 1=Digi-key, Supplier Link=http://www.digikey.ca/product-search/en?keywords=445-6899-1-ND
C9: library part PC-TDK-01998, "CAP CER 0.022UF 50V X7R 0402", Manufacturer Part Number=CGA2B3X7R1H223K050BB, Supplier Part Number 1=445-6895-1-ND, Temperature Coefficient=X7R, Tolerance=±10%, Voltage - Rated=50V, Applications=Automotive, Index=1998, LatestRevisionDate=2016-03-16, LatestRevisionNote=..., PackageDescription="Radial Cap, Thru-Hole; 2 Leads; 0.3 in Pin Spacing", PackageReference="0402 (1005 Metric)", Part Number=PC-TDK-01998, Published=2016-03-16, Publisher=AlbertaSat, Supplier 1=Digi-key, Supplier Link=http://www.digikey.ca/product-search/en?keywords=445-6895-1-ND
C12 C25: library part PC-TDK-01303, "CAP CER 220PF 50V NP0 0402", Manufacturer Part Number=CGA2B2NP01H221J050BA, Supplier Part Number 1=445-12129-1-ND, Temperature Coefficient=NP0, Tolerance=±5%, Voltage - Rated=50V, Applications=Automotive, Index=1303, LatestRevisionDate=2016-03-16, LatestRevisionNote=..., PackageDescription="Radial Cap, Thru-Hole; 2 Leads; 0.3 in Pin Spacing", PackageReference="0402 (1005 Metric)", Part Number=PC-TDK-01303, Published=2016-03-16, Publisher=AlbertaSat, Supplier 1=Digi-key, Supplier Link=http://www.digikey.ca/product-search/en?keywords=445-12129-1-ND
C17: library part PC-ATC-00200, "CAP CER 6.8PF 200V C0G/NP0 0402", Manufacturer Part Number=600L6R8BT200T, Supplier Part Number 1=1284-1134-1-ND, Temperature Coefficient="C0G, NP0", Tolerance=±0.1pF, Voltage - Rated=200V, Applications="High Q, Low Loss, Ultra Low ESR", Index=200, LatestRevisionDate=2018-08-29, LatestRevisionNote=..., PackageDescription="Chip Capacitor, 2-Leads, Body 1.02x0.51mm, IPC Low Density", PackageReference="0402 (1005 Metric)", Part Number=PC-ATC-00200, Published=2018-08-29, Publisher=AlbertaSat, Supplier 1=Digi-key, Supplier Link=https://www.digikey.ca/products/en?keywords=1284-1134-1-ND
C19: library part PC-TDK-01185, "CAP CER 47PF 50V NP0 0402", Manufacturer Part Number=CGA2B2NP01H470J050BA, Supplier Part Number 1=445-12142-1-ND, Temperature Coefficient=NP0, Tolerance=±5%, Voltage - Rated=50V, Applications=Automotive, Index=1185, LatestRevisionDate=2016-03-16, LatestRevisionNote=..., PackageDescription="Radial Cap, Thru-Hole; 2 Leads; 0.3 in Pin Spacing", PackageReference="0402 (1005 Metric)", Part Number=PC-TDK-01185, Published=2016-03-16, Publisher=AlbertaSat, Supplier 1=Digi-key, Supplier Link=http://www.digikey.ca/product-search/en?keywords=445-12142-1-ND
C22 C27 C31 C63: library part PC-TDK-02917, "CAP CER 10UF 25V X7R 1206", Manufacturer Part Number=CGA5L1X7R1E106K160AC, Supplier Part Number 1=445-6990-1-ND, Temperature Coefficient=X7R, Tolerance=±10%, Voltage - Rated=25V, Applications=Automotive, Index=2917, LatestRevisionDate=3/16/2016, LatestRevisionNote=..., PackageDescription="Radial Cap, Thru-Hole; 2 Leads; 0.3 in Pin Spacing", PackageReference="1206 (3216 Metric)", Part Number=PC-TDK-02917, Published=3/16/2016, Publisher=AlbertaSat, Supplier 1=Digi-key, Supplier Link=http://www.digikey.ca/product-search/en?keywords=445-6990-1-ND
C24 C28 C30 C32 C34 C36: library part PC-TDK-02603, "CAP CER 1UF 25V X7R 0603", Manufacturer Part Number=CGA3E1X7R1E105K080AC, Supplier Part Number 1=445-6931-1-ND, Temperature Coefficient=X7R, Tolerance=±10%, Voltage - Rated=25V, Applications=Automotive, Index=2603, LatestRevisionDate=2016-03-16, LatestRevisionNote=..., PackageDescription="Radial Cap, Thru-Hole; 2 Leads; 0.3 in Pin Spacing", PackageReference="0603 (1608 Metric)", Part Number=PC-TDK-02603, Published=2016-03-16, Publisher=AlbertaSat, Supplier 1=Digi-key, Supplier Link=http://www.digikey.ca/product-search/en?keywords=445-6931-1-ND
C26: library part PC-ATC-00072, "CAP CER 1.2PF 250V C0G/NP0 0603", Manufacturer Part Number=600S1R2AW250XT, Supplier Part Number 1=1284-1721-1-ND, Temperature Coefficient="C0G, NP0", Tolerance=±0.05pF, Voltage - Rated=250V, Applications="High Q, Low Loss, Ultra Low ESR", Index=72, LatestRevisionDate=2018-08-29, LatestRevisionNote=..., PackageDescription="Radial Cap, Thru-Hole; 2 Leads; 0.3 in Pin Spacing", PackageReference="0603 (1608 Metric)", Part Number=PC-ATC-00072, Published=2018-08-29, Publisher=AlbertaSat, Supplier 1=Digi-key, Supplier Link=https://www.digikey.ca/products/en?keywords=1284-1721-1-ND
C29: library part PC-ATC-00302, "CAP CER 27PF 250V NP0 0603", Manufacturer Part Number=600S270FW250XT, Supplier Part Number 1=1284-1876-1-ND, Temperature Coefficient="C0G, NP0", Tolerance=±1%, Voltage - Rated=250V, Applications="High Q, Low Loss, Ultra Low ESR", Index=302, LatestRevisionDate=2018-08-29, LatestRevisionNote=..., PackageDescription="Radial Cap, Thru-Hole; 2 Leads; 0.3 in Pin Spacing", PackageReference="0603 (1608 Metric)", Part Number=PC-ATC-00302, Published=2018-08-29, Publisher=AlbertaSat, Supplier 1=Digi-key, Supplier Link=https://www.digikey.ca/products/en?keywords=1284-1876-1-ND
C33: library part PC-ATC-00234, "CAP CER 10PF 250V C0G/NP0 0603", Manufacturer Part Number=600S100FW250XT, Supplier Part Number 1=1284-1159-1-ND, Temperature Coefficient="C0G, NP0", Tolerance=±1%, Voltage - Rated=250V, Applications="High Q, Low Loss, Ultra Low ESR", Index=234, LatestRevisionDate=2018-08-29, LatestRevisionNote=..., PackageDescription="Radial Cap, Thru-Hole; 2 Leads; 0.3 in Pin Spacing", PackageReference="0603 (1608 Metric)", Part Number=PC-ATC-00234, Published=2018-08-29, Publisher=AlbertaSat, Supplier 1=Digi-key, Supplier Link=https://www.digikey.ca/products/en?keywords=1284-1159-1-ND
C35 C37 C39: library part PC-TDK-02742, "CAP CER 2.2UF 50V X7R 0805", Manufacturer Part Number=CGA4J3X7R1H225K125AB, Supplier Part Number 1=445-174216-1-ND, Temperature Coefficient=X7R, Tolerance=±10%, Voltage - Rated=50V, Applications=Automotive, Index=2742, LatestRevisionDate=2016-03-16, LatestRevisionNote=..., PackageDescription="Radial Cap, Thru-Hole; 2 Leads; 0.3 in Pin Spacing", PackageReference="0805 (2012 Metric)", Part Number=PC-TDK-02742, Published=2016-03-16, Publisher=AlbertaSat, Supplier 1=Digi-key, Supplier Link=http://www.digikey.ca/product-search/en?keywords=445-174216-1-ND
C38: library part PC-ATC-00379, "CAP CER 220PF 250V C0G/NP0 0805", Manufacturer Part Number=600F221JT250XT, Supplier Part Number 1=1284-1038-1-ND, Temperature Coefficient="C0G, NP0", Tolerance=±5%, Voltage - Rated=250V, Applications="High Q, Low Loss, Ultra Low ESR", Index=379, LatestRevisionDate=2018-08-29, LatestRevisionNote=..., PackageDescription="Radial Cap, Thru-Hole; 2 Leads; 0.3 in Pin Spacing", PackageReference="0805 (2012 Metric)", Part Number=PC-ATC-00379, Published=2018-08-29, Publisher=AlbertaSat, Supplier 1=Digi-key, Supplier Link=https://www.digikey.ca/products/en?keywords=1284-1038-1-ND
C40 C42: library part PC-ATC-00229, "CAP CER 10PF 200V C0G/NP0 0402", Manufacturer Part Number=600L100FT200T, Supplier Part Number 1=1284-1095-1-ND, Temperature Coefficient="C0G, NP0", Tolerance=±1%, Voltage - Rated=200V, Applications="High Q, Low Loss, Ultra Low ESR", Index=229, LatestRevisionDate=2018-08-29, LatestRevisionNote=..., PackageDescription="Chip Capacitor, 2-Leads, Body 1.02x0.51mm, IPC Low Density", PackageReference="0402 (1005 Metric)", Part Number=PC-ATC-00229, Published=2018-08-29, Publisher=AlbertaSat, Supplier 1=Digi-key, Supplier Link=https://www.digikey.ca/products/en?keywords=1284-1095-1-ND
C41: library part PC-ATC-00299, "CAP CER 27PF 200V C0G/NP0 0402", Manufacturer Part Number=600L270FT200T, Supplier Part Number 1=1284-1361-1-ND, Temperature Coefficient="C0G, NP0", Tolerance=±1%, Voltage - Rated=200V, Applications="High Q, Low Loss, Ultra Low ESR", Index=299, LatestRevisionDate=2018-08-29, LatestRevisionNote=..., PackageDescription="Chip Capacitor, 2-Leads, Body 1.02x0.51mm, IPC Low Density", PackageReference="0402 (1005 Metric)", Part Number=PC-ATC-00299, Published=2018-08-29, Publisher=AlbertaSat, Supplier 1=Digi-key, Supplier Link=https://www.digikey.ca/products/en?keywords=1284-1361-1-ND
C43: library part PC-ATC-00068, "CAP CER 1.2PF 200V C0G/NP0 0402", Manufacturer Part Number=600L1R2AT200T, Supplier Part Number 1=1284-1106-1-ND, Temperature Coefficient="C0G, NP0", Tolerance=±0.05pF, Voltage - Rated=200V, Applications="High Q, Low Loss, Ultra Low ESR", Index=68, LatestRevisionDate=2018-08-29, LatestRevisionNote=..., PackageDescription="Chip Capacitor, 2-Leads, Body 1.02x0.51mm, IPC Low Density", PackageReference="0402 (1005 Metric)", Part Number=PC-ATC-00068, Published=2018-08-29, Publisher=AlbertaSat, Supplier 1=Digi-key, Supplier Link=https://www.digikey.ca/products/en?keywords=1284-1106-1-ND
C45: library part PC-AVX-00233, "CAP TANT 1000UF 10V 20% 2824", Equivalent Series Resistance="140 mOhm @ 100kHz", Manufacturer Part Number=F721A108MMCAQ2, Supplier Part Number 1=478-11457-1-ND, Tolerance=±20%, Voltage - Rated=10V, Applications="General Purpose", Index=233, LatestRevisionDate=2018-08-09, LatestRevisionNote=..., PackageDescription="Chip Capacitor, 2-Leads, Body 7.20x6.00mm, IPC Low Density", PackageReference="2824 (7260 metric)", Part Number=PC-AVX-00233, Published=2018-08-09, Publisher=AlbertaSat, Supplier 1=Digi-key, Supplier 2=Mouser, Supplier Link=#https://www.digikey.ca/products/en?keywords=478-11457-1-ND#, Supplier Part Number 2=581-F721A108MMCAQ2
C50 C52 C53 C54 C55 C56 C57 C58: library part PC-KEM-03159, "CAP CER SMD CBR 0402 100PF 5% 25", Manufacturer Part Number=CBR04C101J3GAC, Supplier Part Number 1=399-17684-1-ND, Temperature Coefficient="C0G, NP0", Tolerance=±5%, Voltage - Rated=25V, Applications="High Q, Low Loss, Ultra Low ESR", Index=3159, LatestRevisionDate=2018-08-29, LatestRevisionNote=..., PackageDescription="Chip Capacitor, 2-Leads, Body 1.00x0.50mm, IPC Low Density", PackageReference="0402 (1005 Metric)", Part Number=PC-KEM-03159, Published=2018-08-29, Publisher=AlbertaSat, Supplier 1=Digi-key, Supplier Link=https://www.digikey.ca/products/en?keywords=399-17684-1-ND
C59: library part PC-KEM-02905, "CAP CER RF 1.9PF 50V +/-0.1 PF C", Manufacturer Part Number=CBR04C199B5GAC, Supplier Part Number 1=399-16064-1-ND, Temperature Coefficient="C0G, NP0", Tolerance=±0.1pF, Voltage - Rated=50V, Applications="High Q, Low Loss, Ultra Low ESR", Index=2905, LatestRevisionDate=2018-08-29, LatestRevisionNote=..., PackageDescription="Chip Capacitor, 2-Leads, Body 1.00x0.50mm, IPC Low Density", PackageReference="0402 (1005 Metric)", Part Number=PC-KEM-02905, Published=2018-08-29, Publisher=AlbertaSat, Supplier 1=Digi-key, Supplier Link=https://www.digikey.ca/products/en?keywords=399-16064-1-ND
C60: library part PC-KEM-03022, "CAP CER RF 6.4PF 50V +/-0.1 PF C", Manufacturer Part Number=CBR04C649B5GAC, Supplier Part Number 1=399-16107-1-ND, Temperature Coefficient="C0G, NP0", Tolerance=±0.1pF, Voltage - Rated=50V, Applications="High Q, Low Loss, Ultra Low ESR", Index=3022, LatestRevisionDate=2018-08-29, LatestRevisionNote=..., PackageDescription="Chip Capacitor, 2-Leads, Body 1.00x0.50mm, IPC Low Density", PackageReference="0402 (1005 Metric)", Part Number=PC-KEM-03022, Published=2018-08-29, Publisher=AlbertaSat, Supplier 1=Digi-key, Supplier Link=https://www.digikey.ca/products/en?keywords=399-16107-1-ND
C61: library part PC-KEM-02983, "CAP CER RF 4.9PF 50V +/-0.1 PF C", Manufacturer Part Number=CBR04C499B5GAC, Supplier Part Number 1=399-16093-1-ND, Temperature Coefficient="C0G, NP0", Tolerance=±0.1pF, Voltage - Rated=50V, Applications="High Q, Low Loss, Ultra Low ESR", Index=2983, LatestRevisionDate=2018-08-29, LatestRevisionNote=..., PackageDescription="Chip Capacitor, 2-Leads, Body 1.00x0.50mm, IPC Low Density", PackageReference="0402 (1005 Metric)", Part Number=PC-KEM-02983, Published=2018-08-29, Publisher=AlbertaSat, Supplier 1=Digi-key, Supplier Link=https://www.digikey.ca/products/en?keywords=399-16093-1-ND